# Altium PCB 3d_design_approx.PcbDoc (part 1 of 3) (continued)
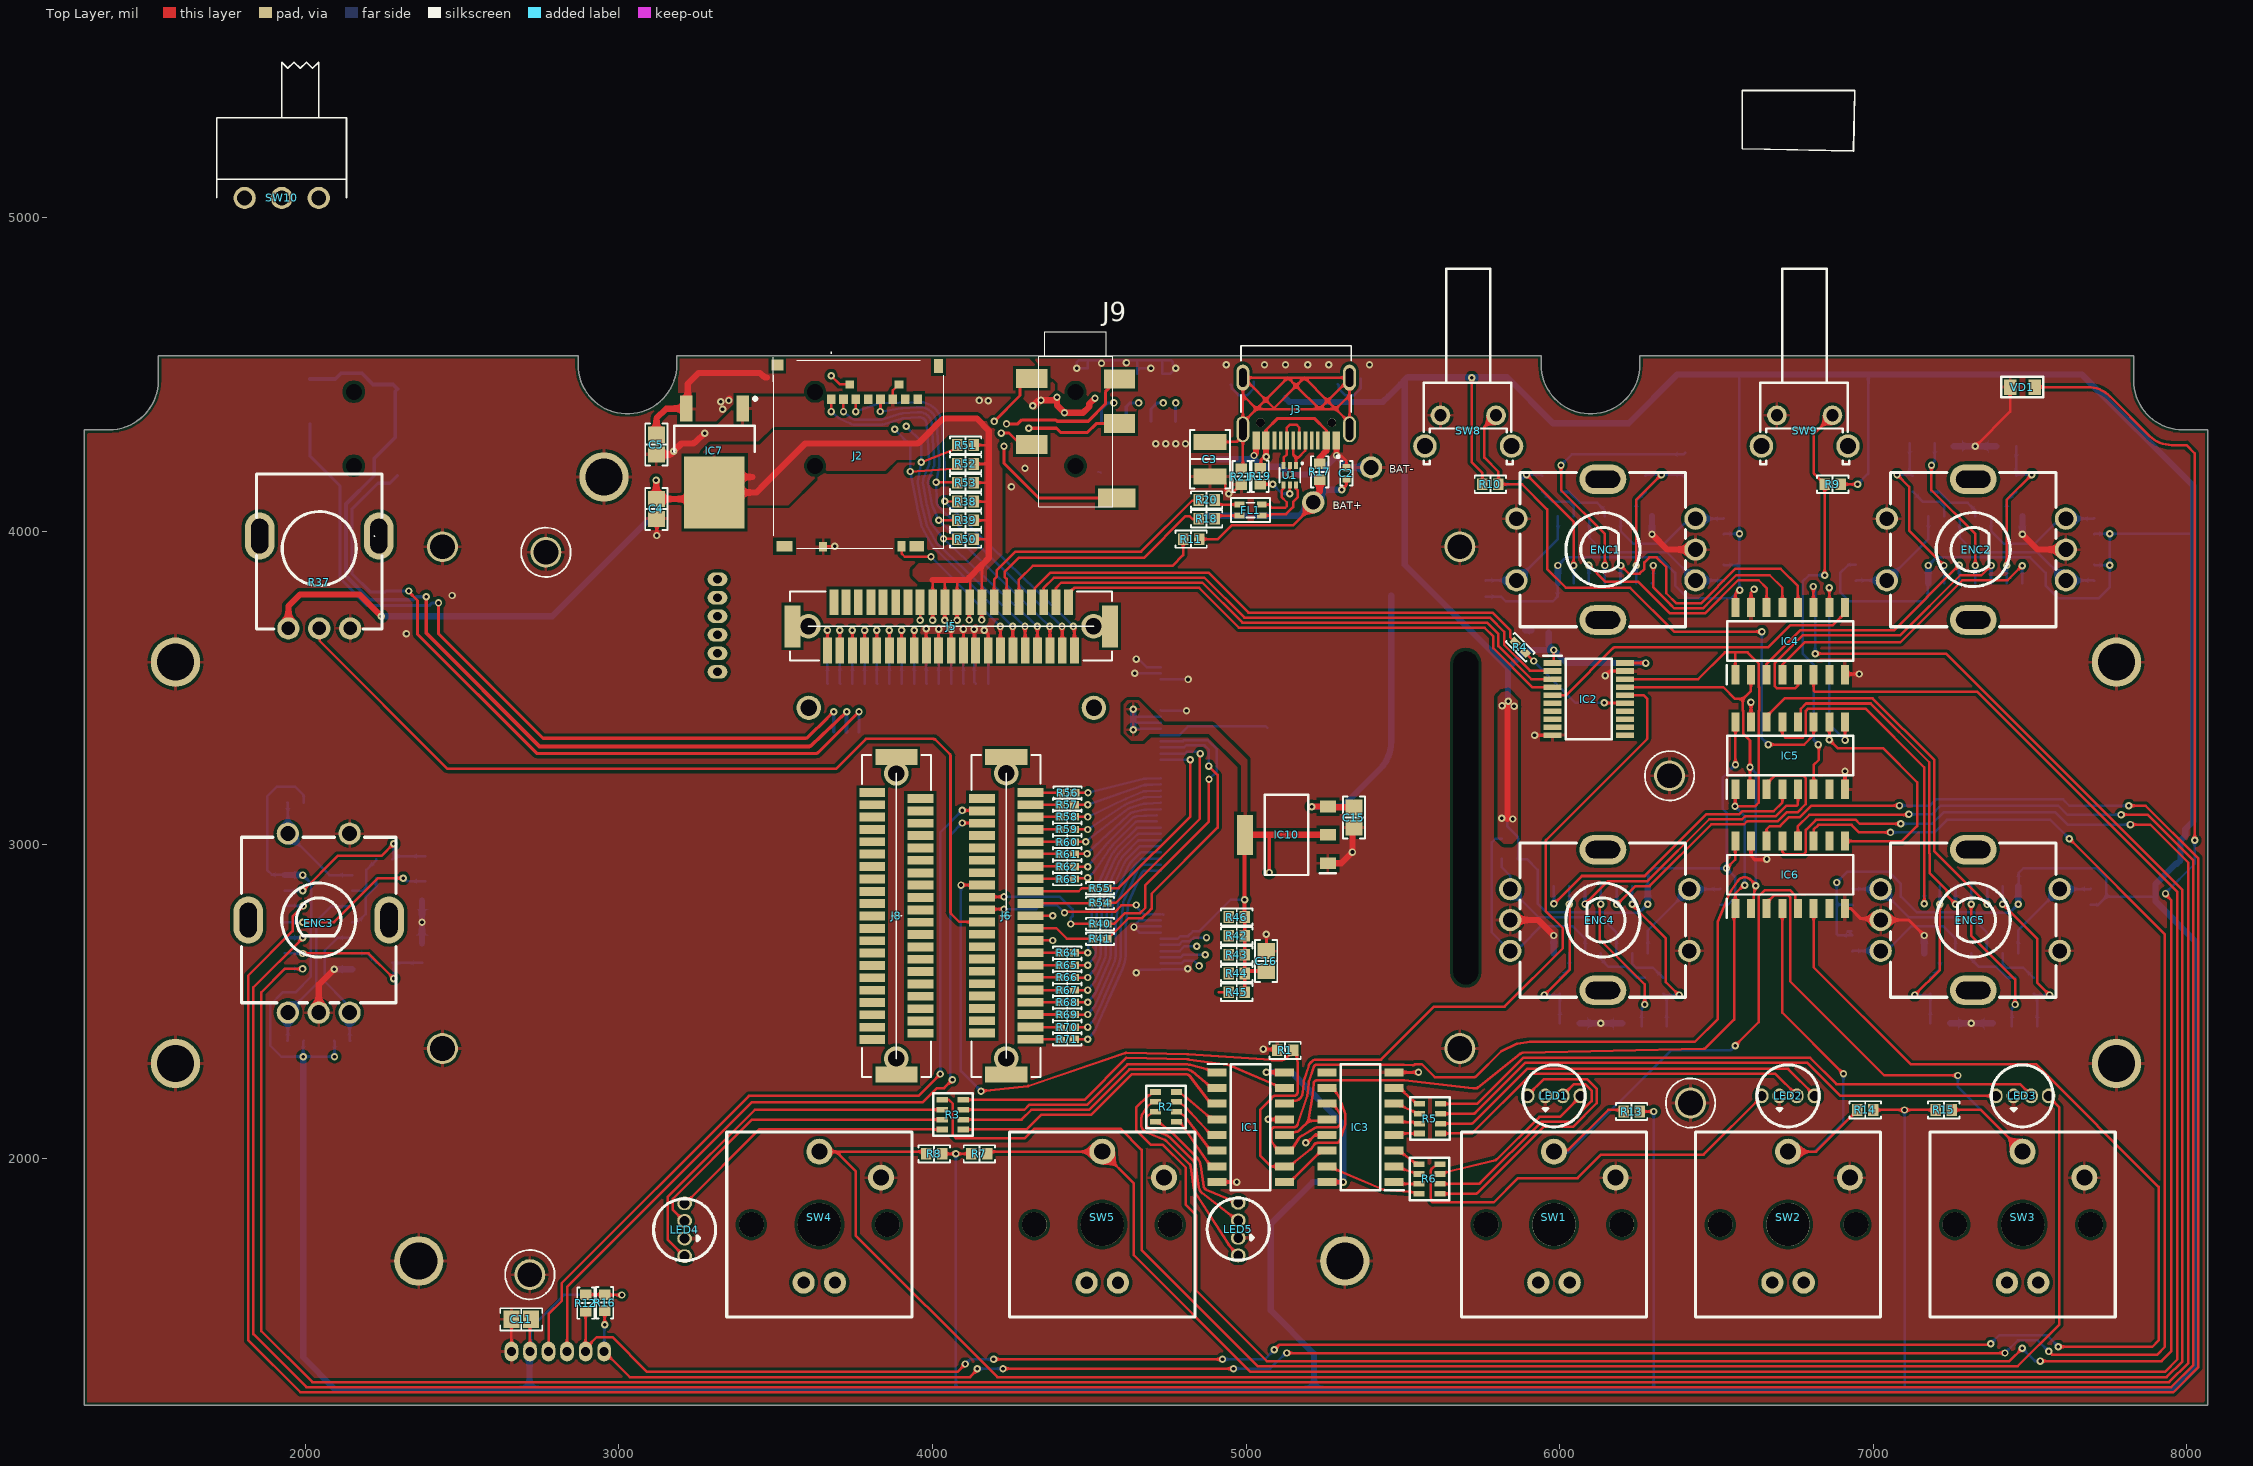
[diagram p0: Top Layer view]
## Components (designator, comment, footprint, x,y, rotation, side; value= is the part's Value field where it differs from the comment)
C1 "10 µF" "CAP 0805_2012" 5933.74,3677 r0 bottom
C2 "0.1µF" "CAP 0402_1005" 5320,4185 r270 top
C3 "10000 pF" "CAP 1210_3225 - 1MM" 4885,4230.12 r90 top
C4 "10 µF" "CAP 0805_2012" 3120,4071.5 r90 top
C5 "1 µF" "CAP 0805_2012" 3120,4276.5 r90 top
C11 "1 µF" "CAP 0805_2012" 2689.09,1487.53 r0 top
C15 "10 µF" "CAP 0805_2012" 5344.24,3087.2 r90 top
C16 "1 µF" "CAP 0805_2012" 5064.28,2629.9 r270 top
C17_IC101 "10 µF" "CAP 0805_2012" 6431.5,4250 r0 bottom (schematic designator C17)
C17_IC102 "10 µF" "CAP 0805_2012" 7227.07,4281.03 r0 bottom (schematic designator C17)
C17_IC103 "10 µF" "CAP 0805_2012" 6229.57,2421.37 r180 bottom (schematic designator C17)
C17_IC104 "10 µF" "CAP 0805_2012" 7410.67,2421.37 r180 bottom (schematic designator C17)
C17_IC105 "10 µF" "CAP 0805_2012" 2382.56,2852.45 r270 bottom (schematic designator C17)
C18_IC101 "10 µF" "CAP 0805_2012" 5775,4150 r180 bottom (schematic designator C18)
C18_IC102 "10 µF" "CAP 0805_2012" 7084.08,4281.03 r180 bottom (schematic designator C18)
C18_IC103 "10 µF" "CAP 0805_2012" 6372.56,2421.37 r0 bottom (schematic designator C18)
C18_IC104 "10 µF" "CAP 0805_2012" 7553.66,2421.37 r0 bottom (schematic designator C18)
C18_IC105 "10 µF" "CAP 0805_2012" 2382.56,2995.44 r90 bottom (schematic designator C18)
C19_IC101 "10 µF" "CAP 0805_2012" 6431.5,4170 r0 bottom (schematic designator C19)
C19_IC102 "10 µF" "CAP 0805_2012" 7424.08,4271.03 r180 bottom (schematic designator C19)
C19_IC103 "10 µF" "CAP 0805_2012" 6032.56,2431.37 r0 bottom (schematic designator C19)
C19_IC104 "10 µF" "CAP 0805_2012" 7213.66,2431.37 r0 bottom (schematic designator C19)
C19_IC105 "10 µF" "CAP 0805_2012" 2372.56,2655.44 r90 bottom (schematic designator C19)
ENC1 "Encoder_15mm" EC11_15mm 6137.77,3941.75 r90 top
ENC2 "Encoder_15mm" EC11_15mm 7318.87,3941.75 r90 top
ENC3 "Encoder_15mm" EC11_15mm 2043.28,2760.65 r0 top
ENC4 "Encoder_15mm" EC11_15mm 6137.77,2760.65 r270 top
ENC5 "Encoder_15mm" EC11_15mm 7318.87,2760.65 r270 top
FL1 "Z=90Ohm" FIL_ACM2012-361-2P-T002 5014.57,4067.72 r180 top
H1 "1.5-6A" 1.5-6A 2953.11,1385 r180 bottom
H2 "1.5-6A" 1.5-6A 3315,3551.89 r90 bottom
H3 "FFC_50_DBG" FFC_50_DBG 4816.93,3232.28 r270 bottom
IC1 "74HC595D_BJ_" SOIC127P600X175-16N 5015,2100 r0 top
IC2 "SN74HC245PWR" SOP65P640X120-20N 6093,3465 r0 top
IC3 "74HC595D_BJ_" SOIC127P600X175-16N 5365,2100 r180 top
IC4 "74HC165D_BJ_" SOIC127P600X175-16N 6735,3650 r90 top
IC5 "74HC165D_BJ_" SOIC127P600X175-16N 6735,3285 r90 top
IC6 "74HC165D_BJ_" SOIC127P600X175-16N 6735,2905 r90 top
IC7 "LD1117DT33TR" TO228P972X240-3N 3305,4220 r270 top
IC10 "ams1117-3.3v" SOT-223 5129.24,3032.2 r180 top
IC11_IC101 "74VHCT14AM" SOIC127P600X175-14N 6144.48,3941.03 r270 bottom (schematic designator IC11)
IC11_IC102 "74VHCT14AM" SOIC127P600X175-14N 7325.58,3941.03 r270 bottom (schematic designator IC11)
IC11_IC103 "74VHCT14AM" SOIC127P600X175-14N 6131.06,2761.37 r90 bottom (schematic designator IC11)
IC11_IC104 "74VHCT14AM" SOIC127P600X175-14N 7312.17,2761.37 r90 bottom (schematic designator IC11)
IC11_IC105 "74VHCT14AM" SOIC127P600X175-14N 2042.56,2753.95 r180 bottom (schematic designator IC11)
J1 "DF9-41P-1V_32_" HIROSE_DF9-41P-1V(32)#1 4454,3514 r0 bottom
J2 "SCHA4B0400" SCHA4B0400 3764.76,4468.5 r180 top
J3 "TYPE-C-31-M-12" "HRO_TYPE-C-31-M-12 - REZONIT" 5160,4490 r180 top
J4 "35RASMT2BHNTRX" PJ_327 2155,4276.78 r270 bottom
J5 "DF9-41P-1V_32_" HIROSE_DF9-41P-1V(32)#2 3665.88,3620.25 r180 top
J6 "DF9-41P-1V_32_" HIROSE_DF9-41P-1V(32)#2 4312.47,2380.37 r270 top
J7 "PJ-327F" PJ-327F 3625.98,4276.78 r270 bottom
J8 "DF9-41P-1V_32_" HIROSE_DF9-41P-1V(32)#1 3807.8,2379.86 r270 top
J9 "PJ-327F" PJ-327F 4456.69,4276.66 r270 top
J10 "0528081271" AFA11-S12GLA-00 4771.65,4354.33 r180 bottom
J11 "0528081271" AFA11-S12GLA-00 4696.85,4112.2 r180 bottom
LED1 "RGB_5mm" LED_RGB_5MM 5981.95,2200 r90 top
LED2 "RGB_5mm" LED_RGB_5MM 6728.32,2200 r90 top
LED3 "RGB_5mm" LED_RGB_5MM 7475,2200 r90 top
LED4 "RGB_5mm" LED_RGB_5MM 3209.86,1772.95 r180 top
LED5 "RGB_5mm" LED_RGB_5MM 4975,1775 r180 top
R1 "10 kOhms" "RES 0603_1608" 5124.41,2345 r180 top
R2 "YC164-JR-07100RL" "RESNET 1206-8 CONVEX" 4745,2165 r0 top
R3 "YC164-JR-07100RL" "RESNET 1206-8 CONVEX" 4065,2140 r0 top
R4 "100 Ohms" "RES 0402_1005" 5874.02,3629.92 r315 top
R5 "YC164-JR-07100RL" "RESNET 1206-8 CONVEX" 5586.54,2127.24 r180 top
R6 "YC164-JR-07100RL" "RESNET 1206-8 CONVEX" 5585,1935 r180 top
R7 "10 kOhms" "RES 0603_1608" 4150,2015 r180 top
R8 "10 kOhms" "RES 0603_1608" 4005.59,2015 r0 top
R9 "10 kOhms" "RES 0603_1608" 6870.59,4150 r0 top
R10 "10 kOhms" "RES 0603_1608" 5779.41,4150 r180 top
R11 "1 MOhms" "RES 0603_1608" 4825,3975 r0 top
R12 "10 kOhms" "RES 0603_1608" 2895,1539.41 r90 top
R13 "10 kOhms" "RES 0603_1608" 6229.41,2150 r0 top
R14 "10 kOhms" "RES 0603_1608" 6974.41,2155 r0 top
R15 "10 kOhms" "RES 0603_1608" 7225,2155 r180 top
R16 "10 kOhms" "RES 0603_1608" 2955,1540.59 r90 top
R17 "=Value" "RES 0603_1608" 5235,4189.41 r90 top
R18 "=Value" "RES 0603_1608" 4874.41,4040 r0 top
R19 "=Value" "RES 0603_1608" 5045,4175 r270 top
R20 "=Value" "RES 0603_1608" 4874.41,4100 r0 top
R21 "1 MOhms" "RES 0603_1608" 4985,4174.41 r90 top
R22 "10 kOhms" "RES 0603_1608" 6523.37,3867.73 r90 bottom
R23 "10 kOhms" "RES 0603_1608" 7703.28,3868.92 r90 bottom
R24 "10 kOhms" "RES 0603_1608" 6523.37,4016.54 r270 bottom
R25 "10 kOhms" "RES 0603_1608" 7702.52,4014.59 r270 bottom
R26 "10 kOhms" "RES 0603_1608" 5764.57,3817.74 r270 bottom
R27 "10 kOhms" "RES 0603_1608" 6945.08,3868.33 r90 bottom
R28 "10 kOhms" "RES 0603_1608" 1969.25,2375.05 r0 bottom
R29 "10 kOhms" "RES 0603_1608" 5840.55,2956.69 r0 bottom
R30 "10 kOhms" "RES 0603_1608" 6933.27,2834.68 r270 bottom
R31 "10 kOhms" "RES 0603_1608" 2118.07,2375.05 r180 bottom
R32 "10 kOhms" "RES 0603_1608" 5840.55,3019.68 r0 bottom
R33 "10 kOhms" "RES 0603_1608" 6933.27,2685.86 r90 bottom
R34 "10 kOhms" "RES 0603_1608" 1969.25,3135.05 r0 bottom
R35 "10 kOhms" "RES 0603_1608" 6512.17,2834.68 r270 bottom
R36 "10 kOhms" "RES 0603_1608" 7692.07,2833.48 r270 bottom
R37 "100k" POT 2045,3915 r0 top
R38 "10 kOhms" "RES 0603_1608" 4105.59,4095 r0 top
R39 "10 kOhms" "RES 0603_1608" 4105.59,4035 r0 top
R40 "22 Ohms" "RES 0402_1005" 4534.45,2748.03 r180 top
R41 "22 Ohms" "RES 0402_1005" 4534.45,2700.79 r180 top
R42 "10 Ohms" "RES 0603_1608" 4970.47,2710.16 r0 top
R43 "10 Ohms" "RES 0603_1608" 4970.47,2650.16 r0 top
R44 "10 Ohms" "RES 0603_1608" 4970.47,2590.16 r0 top
R45 "10 Ohms" "RES 0603_1608" 4970.47,2530.16 r0 top
R46 "10 kOhms" "RES 0603_1608" 4970.47,2770.16 r0 top
R47_IC101 "10 kOhms" "RES 0603_1608" 6004.48,4151.03 r90 bottom (schematic designator R47)
R47_IC102 "10 kOhms" "RES 0603_1608" 7185.58,4151.03 r90 bottom (schematic designator R47)
R47_IC103 "10 kOhms" "RES 0603_1608" 6271.06,2551.37 r270 bottom (schematic designator R47)
R47_IC104 "10 kOhms" "RES 0603_1608" 7452.17,2551.37 r270 bottom (schematic designator R47)
R47_IC105 "10 kOhms" "RES 0603_1608" 2252.56,2893.95 r0 bottom (schematic designator R47)
R48_IC101 "10 kOhms" "RES 0603_1608" 5944.48,4151.03 r90 bottom (schematic designator R48)
R48_IC102 "10 kOhms" "RES 0603_1608" 7125.58,4151.03 r90 bottom (schematic designator R48)
R48_IC103 "10 kOhms" "RES 0603_1608" 6331.06,2551.37 r270 bottom (schematic designator R48)
R48_IC104 "10 kOhms" "RES 0603_1608" 7512.17,2551.37 r270 bottom (schematic designator R48)
R48_IC105 "10 kOhms" "RES 0603_1608" 2252.56,2953.95 r0 bottom (schematic designator R48)
R49_IC101 "10 kOhms" "RES 0603_1608" 6272.51,4151.03 r90 bottom (schematic designator R49)
R49_IC102 "10 kOhms" "RES 0603_1608" 7453.61,4151.03 r90 bottom (schematic designator R49)
R49_IC103 "10 kOhms" "RES 0603_1608" 6003.03,2551.37 r270 bottom (schematic designator R49)
R49_IC104 "10 kOhms" "RES 0603_1608" 7184.13,2551.37 r270 bottom (schematic designator R49)
R49_IC105 "10 kOhms" "RES 0603_1608" 2252.56,2625.91 r0 bottom (schematic designator R49)
R50 "10 kOhms" "RES 0603_1608" 4105.59,3975 r0 top
R51 "10 kOhms" "RES 0603_1608" 4105.59,4275 r0 top
R52 "10 kOhms" "RES 0603_1608" 4105.59,4215 r0 top
R53 "10 kOhms" "RES 0603_1608" 4105.59,4155 r0 top
R54 "22 Ohms" "RES 0402_1005" 4534.45,2814.96 r180 top
R55 "22 Ohms" "RES 0402_1005" 4534.45,2862.2 r180 top
R56 "22 Ohms" "RES 0402_1005" 4431.01,3166.36 r180 top
R57 "22 Ohms" "RES 0402_1005" 4430.01,3128.37 r180 top
R58 "22 Ohms" "RES 0402_1005" 4430.01,3089.37 r180 top
R59 "22 Ohms" "RES 0402_1005" 4430.01,3049.37 r180 top
R60 "22 Ohms" "RES 0402_1005" 4430.01,3009.37 r180 top
R61 "22 Ohms" "RES 0402_1005" 4430.01,2970.37 r180 top
R62 "22 Ohms" "RES 0402_1005" 4430.01,2930.37 r180 top
R63 "22 Ohms" "RES 0402_1005" 4430.01,2891.37 r180 top
R64 "22 Ohms" "RES 0402_1005" 4430.01,2656.37 r180 top
R65 "22 Ohms" "RES 0402_1005" 4430.01,2616.37 r180 top
R66 "22 Ohms" "RES 0402_1005" 4430.01,2577.37 r180 top
R67 "22 Ohms" "RES 0402_1005" 4430.01,2537.37 r180 top
R68 "22 Ohms" "RES 0402_1005" 4430.01,2498.37 r180 top
R69 "22 Ohms" "RES 0402_1005" 4430.01,2459.37 r180 top
R70 "22 Ohms" "RES 0402_1005" 4430.01,2419.37 r180 top
R71 "22 Ohms" "RES 0402_1005" 4430.01,2380.37 r180 top
SW1 "Kailh" Kailh_Low 5981.95,1789.6 r0 top
SW2 "Kailh" Kailh_Low 6728.32,1789.6 r0 top
SW3 "Kailh" Kailh_Low 7476.35,1789.6 r0 top
SW4 "Kailh" Kailh_Low 3639.43,1789.6 r0 top
SW5 "Kailh" Kailh_Low 4541.65,1789.58 r0 top
SW8 "2-1825027-0" "TE 2-1825027-0" 5708.58,4524.75 r0 top
SW9 "2-1825027-0" "TE 2-1825027-0" 6781.42,4524.75 r0 top
SW10 "Reset destination select" SLIDE_SW_BIG 1925.2,5062.99 r0 top
U1 "" SOT-666 5139.69,4179.09 r270 top
VD1 "LED, Green, *, *, *, -55...+150°C" "LED: 0805R" 7475.63,4460 r180 top

## Footprints (in the part's own frame and the unit in brackets; to place one, negate y for a bottom-side part, rotate by r counter-clockwise, add the part's x,y. Pads: shape width x height; smd on the part's side, far side on the other; paste and mask are expansions set on the pad)
1.5-6A [mm] "Pin Header p=1.5mm, 6 pins"
  oval 1.1x1.6 hole 0.7: 1(0,0) 2(1.5,0) 3(3,0) 4(4.5,0) 5(6,0) 6(7.5,0)
  silkscreen extent -1.52,-2.2 9,1.4, body extent -1.4,-2.1 8.9,1.3, height 6
AFA11-S12GLA-00 [mm]
  rect 0.6x1.75 smd paste+0 mask+0.05: 1(0,0) 2(1,3.75) 3(2,0) 4(3,3.75) 5(4,0) 6(5,3.75) 7(6,0) 8(7,3.75) 9(8,0) 10(9,3.75) 11(10,0) 12(11,3.75)
  rect 2x1.6 smd paste+0 mask+0.05: 13(13.4,1.875) 14(-2.4,1.875)
  silkscreen extent -4.04,-0.66 15.04,3.13, body extent -3.69,-0.35 14.71,4.16, height 5.35
"CAP 0402_1005" [mm] "Chip Capacitor, 2-Leads, Body 1.02x0.51mm, IPC Medium Density"
  rect 0.6x0.64 smd: 1(-0.44,0) 2(0.44,0)
  silkscreen extent -1,-0.5 1,0.5, body extent -0.5,-0.26 0.5,0.26, height 0.52
"CAP 0805_2012" [mm] "Chip Capacitor, 2-Leads, Body 2.00x1.20mm, IPC Medium Density"
  rect 1.3x1.4 smd: 1(-0.8,0) 2(0.8,0)
  silkscreen extent -1.7,-0.9 1.7,0.9, body extent -1,-0.64 1,0.64, height 1.26
"CAP 1210_3225 - 1MM" [mm] "Chip Capacitor, 2-Leads, Body 3.20x2.50mm, IPC Medium Density"
  rect 1.3x2.7 smd: 1(-1.4,0) 2(1.4,0)
  silkscreen extent -2.38,-1.63 2.37,1.63, body extent -1.6,-1.25 1.6,1.25, height 1
EC11_15mm [mm]
  round 1.8 hole 1.2: 1(-2.5,7) 2(2.5,7) A(-2.5,-7.5) B(2.5,-7.5) C(0,-7.5)
  oval 2.4x3.8 hole 1.4 slot 2.8 at 90 deg: MT1(-5.7,0) MT2(5.7,0)
  silkscreen extent -6.25,-6.7 6.25,6.7, body extent -6,-7.67 6,7.25, height 21.9
FFC_50_DBG [mm]
  rect 0.3x2.6 smd paste+0 mask+0.102: 1(-8.5,2.25) 2(-8,2.25) 3(-7.5,2.25) 4(-7,2.25) 5(-6.5,2.25) 6(-6,2.25) 7(-5.5,2.25) 8(-5,2.25) 9(-4.5,2.25) 10(-4,2.25) 11(-3.5,2.25) 12(-3,2.25) 13(-2.5,2.25) 14(-2,2.25) 15(-1.5,2.25) 16(-1,2.25) 17(-0.5,2.25) 18(0,2.25) 19(0.5,2.25) 20(1,2.25) 21(1.5,2.25) 22(2,2.25) 23(2.5,2.25) 24(3,2.25) 25(3.5,2.25) 26(4,2.25) 27(4.5,2.25) 28(5,2.25) 29(5.5,2.25) 30(6,2.25) 31(6.5,2.25) 32(7,2.25) 33(7.5,2.25) 34(8,2.25) 35(8.5,2.25) 36(9,2.25) 37(9.5,2.25) 38(10,2.25) 39(10.5,2.25) 40(11,2.25) 41(11.5,2.25) 42(12,2.25) 43(12.5,2.25) 44(13,2.25) 45(13.5,2.25) 46(14,2.25) 47(14.5,2.25) 48(15,2.25) 49(15.5,2.25) 50(16,2.25)
  rect 2.65x3.5 smd: MP1(-10.312,0.356) MP1(17.812,0.356)
  silkscreen extent -11.5,-2.29 17.35,4.01, body extent -11.49,-2.32 19.01,3.32, height 2.06
FIL_ACM2012-361-2P-T002 [mm]
  rect 0.8x0.5 smd: 1(-0.9,0.45) 2(-0.9,-0.45) 3(0.9,-0.45) 4(0.9,0.45)
  silkscreen extent -1.58,-0.98 1.58,0.98, body extent -1,-0.6 1,0.6, height 1.3
HIROSE_DF9-41P-1V(32)#1 [mil]
  rect 28x82 smd: 1(0,0) 2(-20,154) 3(-39,0) 4(-59,154) 5(-79,0) 6(-98,154) 7(-118,0) 8(-138,154) 9(-157,0) 10(-177,154) 11(-197,0) 12(-217,154) 13(-236,0) 14(-256,154) 15(-276,0) 16(-295,154) 17(-315,0) 18(-335,154) 19(-354,0) 20(-374,154) 21(-394,0) 22(-413,154) 23(-433,0) 24(-453,154) 25(-472,0) 26(-492,154) 27(-512,0) 28(-531,154) 29(-551,0) 30(-571,154) 31(-591,0) 32(-610,154) 33(-630,0) 34(-650,154) 35(-669,0) 36(-689,154) 37(-709,0) 38(-728,154) 39(-748,0) 40(-768,154) 41(-787,0)
  round 78 hole 52: 42(-848,77) 43(61,77)
  rect 51x134 smd: 44(-900,77) 45(112,77)
  silkscreen extent -907,-32 120,188, body extent -921,-2 134,156, height 134
HIROSE_DF9-41P-1V(32)#2 [mil]
  rect 28x82 smd: 1(0,0) 2(-20,-154) 3(-39,0) 4(-59,-154) 5(-79,0) 6(-98,-154) 7(-118,0) 8(-138,-154) 9(-157,0) 10(-177,-154) 11(-197,0) 12(-217,-154) 13(-236,0) 14(-256,-154) 15(-276,0) 16(-295,-154) 17(-315,0) 18(-335,-154) 19(-354,0) 20(-374,-154) 21(-394,0) 22(-413,-154) 23(-433,0) 24(-453,-154) 25(-472,0) 26(-492,-154) 27(-512,0) 28(-531,-154) 29(-551,0) 30(-571,-154) 31(-591,0) 32(-610,-154) 33(-630,0) 34(-650,-154) 35(-669,0) 36(-689,-154) 37(-709,0) 38(-728,-154) 39(-748,0) 40(-768,-154) 41(-787,0)
  round 78 hole 52: 42(-848,-77) 43(61,-77)
  rect 51x134 smd: 44(-900,-77) 45(112,-77)
  silkscreen extent -907,-188 120,32, body extent -921,-156 134,2, height 134
"HRO_TYPE-C-31-M-12 - REZONIT" [mm]
  rect 0.6x1.45 smd: A1B12(-3.25,5.095) A4B9(-2.45,5.095) B1A12(3.25,5.095) B4A9(2.45,5.095)
  rect 0.3x1.45 smd mask+0.102: A5(-1.25,5.095) A6(-0.25,5.095) A7(0.25,5.095) A8(1.25,5.095) B5(1.75,5.095) B6(0.75,5.095) B7(-0.75,5.095) B8(-1.75,5.095)
  oval 1.05x2.1 hole 0.6 slot 1.75 at 90 deg: S1(-4.32,4.18) S2(4.32,4.18)
  oval 1.05x2.1 hole 0.6 slot 1.5 at 90 deg: S3(-4.32,0) S4(4.32,0)
  round 0.7 hole 0.7 unplated: ""(-2.89,3.65) ""(2.89,3.65)
  silkscreen extent -4.47,-2.6 4.47,6.5, body extent -4.47,-2.6 4.47,5.31, height 3.31
Kailh_Low [mm]
  round 2.1 hole 1.3: 1(0,5.9) 2(5,3.8)
  round 1.8 hole 1: 3(-1.27,-4.699) 4(1.27,-4.699)
  round 2 hole 2 unplated: ""(-5.5,0) ""(5.5,0)
  round 3.5 hole 3.5 unplated: ""(0,0)
  silkscreen extent -7.5,-7.5 7.5,7.5, body extent -7.5,-7.5 7.5,7.5, height 8
"LED: 0805R" [mm]
  rect 1x1.25 smd: 1(-1,0) 2(1,0)
  silkscreen extent -1.7,-0.82 1.7,0.82, body extent -1.05,-0.67 1.05,0.68, height 0.9
LED_RGB_5MM [mm]
  oval 1.2x1.1 hole 0.8: 1(-0.003,-2.135) 2(-0.003,-0.712) 3(-0.003,0.71) 4(-0.003,2.132)
  silkscreen extent -2.51,-2.51 2.51,2.51
PJ-327F [mil]
  rect 60x100 smd mask+3: 2(0,-140) 3(-211,-140) 4(-208.66,139.76) 5(-66.93,139.76)
  rect 60x120 smd mask+3: 6(170,131.34)
  round 0 hole 51 unplated mask+3: 257(-168.22,0) 258(68,0)
  silkscreen extent -360,-118 199,118, body extent -364,-186 187,188, height 201
PJ_327 [mil]
  rect 60x100 smd mask+3: 2(98.43,-139.76) 3(-177.17,-139.76) 4(-208.66,139.76) 5(-66.93,139.76)
  rect 60x120 smd mask+3: 6(170,131.34)
  round 0 hole 51 unplated mask+3: 257(-168.22,0) 258(68,0)
  silkscreen extent -360,-118 199,118, body extent -364,-186 187,188, height 201
POT [mm]
  round 1.8 hole 1.1: 1(-2.5,-5.704) 2(0,-5.704) 3(2.5,-5.704)
  oval 2.4x3.8 hole 1.4 slot 2.8 at 90 deg: MT1(-4.826,1.778) MT1(4.826,1.778)
  silkscreen extent -5.08,-5.76 5.08,6.81, body extent -5.64,-5.73 5.64,6.92, height 21.1
"RES 0402_1005" [mm] "Chip Resistor, 2-Leads, Body 1.0x0.5mm, IPC Medium Density"
  rect 0.75x0.6 smd: 1(-0.575,0) 2(0.575,0)
  silkscreen extent -1.14,-0.51 1.14,0.51, body extent -0.5,-0.25 0.5,0.25, height 0.35
"RES 0603_1608" [mm] "Chip Resistor, 2-Leads, Body 1.60x0.80mm, IPC Medium Density"
  rect 0.85x0.95 smd: 1(-0.65,0) 2(0.65,0)
  silkscreen extent -1.27,-0.7 1.27,0.7, body extent -0.8,-0.4 0.8,0.4, height 0.45
"RESNET 1206-8 CONVEX" [mm] "4 resistor 3.20x1.60mm, 0.7mm high"
  rect 0.9x0.45 smd: 1(-0.85,1.2) 2(-0.85,0.4) 3(-0.85,-0.4) 4(-0.85,-1.2) 5(0.85,-1.2) 6(0.85,-0.4) 7(0.85,0.4) 8(0.85,1.2)
  silkscreen extent -1.6,-1.73 1.6,1.73, body extent -0.84,-1.62 0.84,1.63, height 0.71
SCHA4B0400 [mm]
  rect 0.7x0.75 smd: 1(2.225,1.2) 2(1.225,1.2) 3(0.225,1.2) 4(-0.775,1.2) 5(-1.775,1.2) 6(-2.775,1.2) 7(-3.775,1.2) 8(-4.775,1.2)
  rect 0.7x0.65 smd: 9(-3.275,0) 10(0.725,0)
  rect 0.65x0.85 smd: 11(-3.475,13.1)
  rect 0.65x0.75 smd: 12(2.875,13.15)
  rect 1.3x0.85 smd: MP1(6.013,13.1)
  rect 0.95x0.9 smd: MP2(6.575,-1.575)
  rect 0.745x1.15 smd: MP3(-6.46,-1.5)
  rect 1.2x0.85 smd: MP4(-4.713,13.1)
  silkscreen extent -6.91,-2.62 6.91,13.28, body extent -6.91,-2 6.96,13.46, height 1.39
SLIDE_SW_BIG [mm] "My slide switch from chip dip"
  round 1.8 hole 1.2: 1(-3,0) 2(0,0) 3(3,0)
  silkscreen extent -5.25,0 5.25,11
SOIC127P600X175-14N [mm]
  rect 1.55x0.65 smd: 1(-2.725,3.81) 2(-2.725,2.54) 3(-2.725,1.27) 4(-2.725,0) 5(-2.725,-1.27) 6(-2.725,-2.54) 7(-2.725,-3.81) 8(2.725,-3.81) 9(2.725,-2.54) 10(2.725,-1.27) 11(2.725,0) 12(2.725,1.27) 13(2.725,2.54) 14(2.725,3.81)
  silkscreen extent -3.5,-4.33 1.6,4.48, body extent -3,-4.33 3,4.33, height 1.75
SOIC127P600X175-16N [mm]
  rect 1.55x0.65 smd: 1(-2.725,4.445) 2(-2.725,3.175) 3(-2.725,1.905) 4(-2.725,0.635) 5(-2.725,-0.635) 6(-2.725,-1.905) 7(-2.725,-3.175) 8(-2.725,-4.445) 9(2.725,-4.445) 10(2.725,-3.175) 11(2.725,-1.905) 12(2.725,-0.635) 13(2.725,0.635) 14(2.725,1.905) 15(2.725,3.175) 16(2.725,4.445)
  silkscreen extent -3.5,-5.1 1.6,5.12, body extent -3,-5.1 3,5.1, height 1.75
SOP65P640X120-20N [mm]
  rect 1.475x0.45 smd mask+0.102: 1(-2.938,2.925) 2(-2.938,2.275) 3(-2.938,1.625) 4(-2.938,0.975) 5(-2.938,0.325) 6(-2.938,-0.325) 7(-2.938,-0.975) 8(-2.938,-1.625) 9(-2.938,-2.275) 10(-2.938,-2.925) 11(2.938,-2.925) 12(2.938,-2.275) 13(2.938,-1.625) 14(2.938,-0.975) 15(2.938,-0.325) 16(2.938,0.325) 17(2.938,0.975) 18(2.938,1.625) 19(2.938,2.275) 20(2.938,2.925)
  silkscreen extent -3.67,-3.25 1.85,3.5, body extent -3.2,-3.25 3.2,3.25, height 1.13
SOT-223 [mm]
  rect 1.3x0.95 smd: 1(-3.35,2.29) 2(-3.35,0) 3(-3.35,-2.29)
  rect 1.3x3.25 smd: 4(3.35,0)
  silkscreen extent -4,-3.25 1.75,3.25, body extent -3.5,-3.25 3.5,3.25, height 1.8
SOT-666 [mm]
  rect 0.56x0.32 smd mask+0.025: 1(-0.785,0.5) 2(-0.785,0) 3(-0.785,-0.5) 4(0.785,-0.5) 5(0.785,0) 6(0.785,0.5)
  silkscreen extent -1,-0.85 0.6,1.05, body extent -0.6,-0.8 0.6,0.8, height 0.6
"TE 2-1825027-0" [mm] "actile Switches, Round Actuator Style, Operating Function NO,Right Angle, Body 15.53x7.11mm, Pitch 2.25mm"
  round 1.59 hole 0.99: 1(2.25,-3.931) 2(-2.25,-3.931)
  round 1.9 hole 1.3: S(-3.505,-6.421) S(3.505,-6.421)
  silkscreen extent -3.6,-7.9 3.6,7.93, body extent -4.2,-7.93 4.2,7.93, height 7.01
TO228P972X240-3N [mm]
  rect 2.1x1 smd: 1(-4.35,2.28) 3(-4.35,-2.28)
  rect 5.85x4.9 smd: 4(2.45,0)
  silkscreen extent -5.27,-3.25 -0.85,3.43, body extent -4.97,-3.3 4.56,3.3, height 2.3

## Part data
C1 C4 C15 C17_IC101 C17_IC102 C17_IC103 C17_IC104 C17_IC105 C18_IC101 C18_IC102 C18_IC103 C18_IC104 C18_IC105 C19_IC101 C19_IC102 C19_IC103 C19_IC104 C19_IC105: library part C0805C106K8PAC7800, "CAP CER 10UF 10V X5R 0805", Device Package="0805 (2012 Metric)", Manufacturer=KEMET, Operating Temperature="-55°C ~ 85°C", Supplier Part Number 1=399-C0805C106K8PAC7800CT-ND, Temperature Coefficient=X5R, Tolerance=±10%, Voltage - Rated=10V, Applications="Bypass, Decoupling", Capacitance="10 µF", ComponentLink1Description=Datasheet, ComponentLink1URL=https://connect.kemet.com:7667/gateway/IntelliData-ComponentDocumentation/1.0/download/datasheet/C0805C106K8PACTU, ComponentLink2Description="DigiKey Link", ComponentLink2URL=https://www.digikey.com/en/products/detail/kemet/C0805C106K8PAC7800/1090830, LastUpdated="9/14/2022 7:51:56 AM", Lifecycle Status=Active, Minimum Order=1, Mounting Type="Surface Mount, MLCC", Package / Case="0805 (2012 Metric)", Packaging=TapeAndReel, Part Number=C0805C106K8PAC7800, Part Status=Active, PartId=44790, Price=0.02, Series="SMD Comm X5R", Size / Dimension="0.079\" L x 0.049\" W (2.00mm x 1.25mm)", Supplier 1=DigiKey, Thickness (Max)="0.055\" (1.40mm)"
C2: library part C0402C104K4RACAUTO, "CAP CER 0.1UF 16V X7R 0402", Device Package="0402 (1005 Metric)", Manufacturer=KEMET, Operating Temperature="-55°C ~ 125°C", Ratings=AEC-Q200, Supplier Part Number 1=399-6828-1-ND, Temperature Coefficient=X7R, Tolerance=±10%, Voltage - Rated=16V, Applications="Automotive, Bypass, Decoupling", Capacitance=0.1µF, ComponentLink1Description=Datasheet, ComponentLink1URL=https://api.kemet.com/component-edge/download/specsheet/C0402C104K4RACAUTO.pdf, ComponentLink2Description="DigiKey Link", ComponentLink2URL=http://digikey.com/product-detail/en/kemet/C0402C104K4RACAUTO/399-6828-1-ND/3314343, LastUpdated="9/2/2020 1:02:21 AM", Lifecycle Status=Active, Minimum Order=1, Mounting Type="Surface Mount, MLCC", Package / Case="0402 (1005 Metric)", Packaging=TapeAndReel, Part Number=C0402C104K4RACAUTO, Part Status=Active, PartId=3024, Price=0.01, Series="SMD Auto X7R", Size / Dimension="0.039\" L x 0.020\" W (1.00mm x 0.50mm)", Supplier 1=DigiKey, Thickness (Max)="0.022\" (0.55mm)"
C3: library part C1210C103KDRAC7800, "CAP CER 10000PF 1KV X7R 1210", Device Package="1210 (3225 Metric)", Manufacturer=KEMET, Operating Temperature="-55°C ~ 125°C", Supplier Part Number 1=399-C1210C103KDRAC7800CT-ND, Temperature Coefficient=X7R, Tolerance=±10%, Voltage - Rated="1000V (1kV)", Applications="General Purpose", Capacitance="10000 pF", ComponentLink1Description=Datasheet, ComponentLink1URL=https://api.kemet.com/component-edge/download/datasheet/C1210C103KDRACTU.pdf, ComponentLink2Description="DigiKey Link", ComponentLink2URL=https://www.digikey.com/en/products/detail/kemet/C1210C103KDRAC7800/2216434, Features="Low ESL, High Voltage", LastUpdated="9/16/2023 7:34:43 PM", Lifecycle Status=Active, Minimum Order=1, Mounting Type="Surface Mount, MLCC", Package / Case="1210 (3225 Metric)", Packaging=TapeAndReel, Part Number=C1210C103KDRAC7800, Part Status=Active, PartId=29443, Price=0.09, Series="SMD Comm X7R HV", Size / Dimension="0.126\" L x 0.098\" W (3.20mm x 2.50mm)", Supplier 1=DigiKey, Thickness (Max)="0.061\" (1.55mm)"
C5 C11 C16: library part C0805C105K4RAC7800, "CAP CER 1UF 16V X7R 0805", Device Package="0805 (2012 Metric)", Manufacturer=KEMET, Operating Temperature="-55°C ~ 125°C", Supplier Part Number 1=399-C0805C105K4RAC7800CT-ND, Temperature Coefficient=X7R, Tolerance=±10%, Voltage - Rated=16V, Applications="Bypass, Decoupling", Capacitance="1 µF", ComponentLink1Description=Datasheet, ComponentLink1URL=https://api.kemet.com/component-edge/download/datasheet/C0805C105K4RACTU.pdf, ComponentLink2Description="DigiKey Link", ComponentLink2URL=https://www.digikey.com/en/products/detail/kemet/C0805C105K4RAC7800/416047, LastUpdated="9/19/2022 1:03:30 PM", Lifecycle Status=Active, Minimum Order=1, Mounting Type="Surface Mount, MLCC", Package / Case="0805 (2012 Metric)", Packaging=TapeAndReel, Part Number=C0805C105K4RAC7800, Part Status=Active, PartId=32075, Price=0.01, Series="SMD Comm X7R", Size / Dimension="0.079\" L x 0.049\" W (2.00mm x 1.25mm)", Supplier 1=DigiKey, Thickness (Max)="0.039\" (1.00mm)"
FL1: library part ACM2012-361-2P-T002, "ACM Series 0805 360 Ohm 220mA 500 mOhm DCR 50 V SMT Common Mode Filter", Package=None, Availability=Good, MF=TDK, MP=ACM2012-361-2P-T002, Price="0.24 USD"
H1 H2: "Pin Header p=1.5mm, 6 pins"
IC1 IC3: "Integrated Circuit", Arrow Part Number=74HC595D(BJ), Manufacturer_Name=Toshiba, Mouser Part Number=757-74HC595DBJ, Arrow Price/Stock=https://www.arrow.com/en/products/74hc595d-bj/toshiba?region=nac, Datasheet Link=https://componentsearchengine.com/Datasheets/1/74HC595D(BJ).pdf, Height=1.75mm, Manufacturer_Part_Number=74HC595D(BJ), Mouser Price/Stock=https://www.mouser.co.uk/ProductDetail/Toshiba/74HC595DBJ?qs=T%2FywbITssnTkqd02WdSNRg%3D%3D
IC2: "Integrated Circuit", Manufacturer_Name="Texas Instruments", Mouser Part Number=595-SN74HC245PWR, Arrow Part Number=SN74HC245PWR, Arrow Price/Stock=https://www.arrow.com/en/products/sn74hc245pwr/texas-instruments?region=nac, Datasheet Link=http://www.ti.com/lit/gpn/sn74hc245, Height=1.2mm, Manufacturer_Part_Number=SN74HC245PWR, Mouser Price/Stock=https://www.mouser.co.uk/ProductDetail/Texas-Instruments/SN74HC245PWR?qs=JS6RUWRH9DXHcWNikQOotA%3D%3D
IC4 IC5 IC6: "Integrated Circuit", Arrow Part Number=74HC165D(BJ), Manufacturer_Name=Toshiba, Mouser Part Number=757-74HC165DBJ, Arrow Price/Stock=https://www.arrow.com/en/products/74hc165d-bj/toshiba?region=nac, Datasheet Link=https://www.arrow.com/en/products/74hc165d-bj/toshiba?region=nac, Height=1.75mm, Manufacturer_Part_Number=74HC165D(BJ), Mouser Price/Stock=https://www.mouser.co.uk/ProductDetail/Toshiba/74HC165DBJ?qs=lQAVKuKFhkJom8fGze1o7Q%3D%3D
IC7: "Integrated Circuit", Manufacturer_Name=STMicroelectronics, Mouser Part Number=511-LD1117DT33-TR, Arrow Part Number=LD1117DT33TR, Arrow Price/Stock=https://www.arrow.com/en/products/ld1117dt33tr/stmicroelectronics?region=nac, Datasheet Link=http://www.st.com/web/en/resource/technical/document/datasheet/CD00000544.pdf, Height=2.4mm, Manufacturer_Part_Number=LD1117DT33TR, Mouser Price/Stock=https://www.mouser.co.uk/ProductDetail/STMicroelectronics/LD1117DT33TR?qs=4JhUBQGAOSd4P5jVYGxp2g%3D%3D
IC10: "Integrated Circuit", Manufacturer_Name="Advanced Monolithic Systems", Supplier Part Number 1=C6186, Datasheet Link=http://www.advanced-monolithic.com/pdf/ds1117.pdf, Height=1.8mm, Manufacturer_Part_Number=ams1117-3.3v, Supplier 1=LCSC
IC11_IC101 IC11_IC102 IC11_IC103 IC11_IC104 IC11_IC105: "Integrated Circuit", Manufacturer_Name=onsemi, Mouser Part Number=512-74VHCT14AM, Arrow Part Number=74VHCT14AM, Arrow Price/Stock=https://www.arrow.com/en/products/74vhct14am/on-semiconductor, Datasheet Link=https://docs.rs-online.com/5e2e/0900766b812cf5b5.pdf, Height=1.75mm, Manufacturer_Part_Number=74VHCT14AM, Mouser Price/Stock=https://www.mouser.com/Search/Refine.aspx?Keyword=512-74VHCT14AM
J1 J5 J6 J8: "Connector", Arrow Part Number=DF9-41P-1V(32), Manufacturer_Name=Hirose, Mouser Part Number=798-DF9-41P-1V32, Arrow Price/Stock=https://www.arrow.com/en/products/df9-41p-1v-32/hirose-electric, Datasheet Link=http://componentsearchengine.com/Datasheets/1/DF9-41P-1V(32).pdf, Manufacturer_Part_Number=DF9-41P-1V(32), Mouser Price/Stock=https://www.mouser.co.uk/ProductDetail/Hirose-Connector/DF9-41P-1V32?qs=zOgoZG1CgI%252BzVCgniEkwOw%3D%3D
J2: "SD card Connector", Manufacturer_Name="ALPS Electric", Mouser Part Number=688-SCHA4B0400, Datasheet Link=https://br.mouser.com/datasheet/2/15/SCHA-1155938.pdf, Height=1.29mm, Manufacturer_Part_Number=SCHA4B0400, Mouser Price/Stock=https://www.mouser.com/Search/Refine.aspx?Keyword=688-SCHA4B0400
J3: "USB Connectors 24 Receptacle 1 8.94*7.3mm RoHS", Package=None, Availability=Unavailable, MF="{'manufacturer': u'HRO Electronics Co., Ltd.'}", MP=TYPE-C-31-M-12, Price=None
J4: library part "3.5mm jack stereo smd", "Conn 3.5MM Stereo Jack F 3 POS Solder RA SMD 3 Terminal 1 Port T/R", Package=None, Availability=Good, MF=Switchcraft, MP=35RASMT2BHNTRX, Price="0.84 USD", SnapEDA_Link=https://www.snapeda.com/parts/35RASMT2BHNTRX/Switchcraft%20Inc./view-part/?ref=snap
J7 J9: library part "3.5mm jack 4pos smd", "PJ-327F 4 contacts 5 pins 1 sw"
J10 J11: "Connector", Manufacturer_Name=Molex, Datasheet Link=https://www.molex.com/pdm_docs/sd/528082071_sd.pdf, Height=5.3mm, Manufacturer_Part_Number=0528081271
LED1 LED2 LED3 LED4 LED5: library part RGB_CC_5mm
R1 R7 R8 R9 R10 R12 R13 R14 R15 R16 R22 R23 R24 R25 R26 R27 R28 R29 R30 R31 R32 R33 R34 R35 R36 R38 R39 R46 R47_IC101 R47_IC102 R47_IC103 R47_IC104 R47_IC105 R48_IC101 R48_IC102 R48_IC103 R48_IC104 R48_IC105 R49_IC101 R49_IC102 R49_IC103 R49_IC104 R49_IC105 R50 R51 R52 R53: library part RT0603FRE0710KL, "RES SMD 10K OHM 1% 1/10W 0603", Device Package="0603 (1608 Metric)", Manufacturer=Yageo, Operating Temperature="-55°C ~ 155°C", Power (Watts)="0.1W, 1/10W", Supplier Device Package=0603, Supplier Part Number 1=YAG2321CT-ND, Temperature Coefficient=±50ppm/°C, Tolerance=±1%, ComponentLink1Description=Datasheet, ComponentLink1URL=https://www.yageo.com/upload/media/product/productsearch/datasheet/rchip/PYu-RT_1-to-0.01_RoHS_L_11.pdf, ComponentLink2Description="DigiKey Link", ComponentLink2URL=http://digikey.com/product-detail/en/yageo/RT0603FRE0710KL/YAG2321CT-ND/5252435, Composition="Thin Film", Height - Seated (Max)="0.022\" (0.55mm)", LastUpdated="9/2/2020 1:10:23 AM", Lifecycle Status=Active, Minimum Order=1, Number of Terminations=2, Package / Case="0603 (1608 Metric)", Packaging=TapeAndReel, Part Number=RT0603FRE0710KL, Part Status=Active, PartId=5671, Price=0.01, Resistance="10 kOhms", Series=RT, Size / Dimension="0.063\" L x 0.031\" W (1.60mm x 0.80mm)", Supplier 1=DigiKey
R2 R3 R5 R6: "RES ARRAY 4 RES 100 OHM 1206", Manufacturer=Yageo, Number of Resistors=4, Operating Temperature="-55°C ~ 155°C", Package / Case="1206 (3216 Metric), Convex, Long Side Terminals", Power Per Element=62.5mW, Resistance (Ohms)=100, Supplier Part Number 1=YC164J-100CT-ND, Temperature Coefficient=±200ppm/°C, Tolerance=±5%, Applications="DDRAM, SDRAM", Circuit Type=Isolated, ComponentLink1Description=Datasheet, ComponentLink1URL=https://www.yageo.com/upload/media/product/productsearch/datasheet/rchip/PYu-YC_TC_group_51_RoHS_L_9.pdf, ComponentLink2Description="DigiKey Link", ComponentLink2URL=http://digikey.com/product-detail/en/yageo/YC164-JR-07100RL/YC164J-100CT-ND/1005656, Height - Seated (Max)="0.028\" (0.70mm)", LastUpdated="9/2/2020 1:23:24 AM", Lifecycle Status=Active, Minimum Order=1, Mounting Type="Surface Mount", Number of Pins=8, Packaging=TapeAndReel, Part Number=YC164-JR-07100RL, Part Status=Active, PartId=239, Price=0.01, Series=YC164, Size / Dimension="0.126\" L x 0.063\" W (3.20mm x 1.60mm)", Supplier 1=DigiKey
R4: library part RT0402FRE07100RL, "RES SMD 100 OHM 1% 1/16W 0402", Device Package="0402 (1005 Metric)", Manufacturer=Yageo, Operating Temperature="-55°C ~ 155°C", Power (Watts)="0.063W, 1/16W", Supplier Device Package=0402, Supplier Part Number 1=YAG3342CT-ND, Temperature Coefficient=±50ppm/°C, Tolerance=±1%, ComponentLink1Description=Datasheet, ComponentLink1URL=https://www.yageo.com/upload/media/product/productsearch/datasheet/rchip/PYu-RT_1-to-0.01_RoHS_L_11.pdf, ComponentLink2Description="DigiKey Link", ComponentLink2URL=http://digikey.com/product-detail/en/yageo/RT0402FRE07100RL/YAG3342CT-ND/5418047, Composition="Thin Film", Height - Seated (Max)="0.014\" (0.35mm)", LastUpdated="9/2/2020 1:08:09 AM", Lifecycle Status=Active, Minimum Order=1, Number of Terminations=2, Package / Case="0402 (1005 Metric)", Packaging=TapeAndReel, Part Number=RT0402FRE07100RL, Part Status=Active, PartId=3193, Price=0.01, Resistance="100 Ohms", Series=RT, Size / Dimension="0.039\" L x 0.020\" W (1.00mm x 0.50mm)", Supplier 1=DigiKey
R11 R21: library part RT0603FRE071ML, "RES SMD 1M OHM 1% 1/10W 0603", Device Package="0603 (1608 Metric)", Manufacturer=Yageo, Operating Temperature="-55°C ~ 155°C", Power (Watts)="0.1W, 1/10W", Supplier Device Package=0603, Supplier Part Number 1=YAG5944CT-ND, Temperature Coefficient=±50ppm/°C, Tolerance=±1%, ComponentLink1Description=Datasheet, ComponentLink1URL=https://www.yageo.com/upload/media/product/productsearch/datasheet/rchip/PYu-RT_1-to-0.01_RoHS_L_11.pdf, ComponentLink2Description="DigiKey Link", ComponentLink2URL=http://digikey.com/product-detail/en/yageo/RT0603FRE071ML/YAG5944CT-ND/9370974, Composition="Thin Film", Height - Seated (Max)="0.022\" (0.55mm)", LastUpdated="9/2/2020 1:10:14 AM", Lifecycle Status=Active, Minimum Order=1, Number of Terminations=2, Package / Case="0603 (1608 Metric)", Packaging=TapeAndReel, Part Number=RT0603FRE071ML, Part Status=Active, PartId=10191, Price=0.01, Resistance="1 MOhms", Series=RT, Size / Dimension="0.063\" L x 0.031\" W (1.60mm x 0.80mm)", Supplier 1=DigiKey
R17 R18 R19 R20: library part RCA06030000ZSEA, "RES SMD 0 OHM JUMPER 1/10W 0603", Device Package="0603 (1608 Metric)", Manufacturer="Vishay Dale", Operating Temperature="-55°C ~ 155°C", Power (Watts)="0.1W, 1/10W", Ratings=AEC-Q200, Supplier Device Package=0603, Supplier Part Number 1=541-2192-1-ND, Tolerance=Jumper, ComponentLink1Description=Datasheet, ComponentLink1URL=http://www.vishay.com/docs/20037/rcae3.pdf, ComponentLink2Description="DigiKey Link", ComponentLink2URL=http://digikey.com/product-detail/en/vishay-dale/RCA06030000ZSEA/541-2192-1-ND/4946845, Composition="Thick Film", Features="Anti-Sulfur, Automotive AEC-Q200", Height - Seated (Max)="0.020\" (0.50mm)", LastUpdated="9/2/2020 1:10:23 AM", Lifecycle Status=Active, Minimum Order=1, Number of Terminations=2, Package / Case="0603 (1608 Metric)", Packaging=TapeAndReel, Part Number=RCA06030000ZSEA, Part Status=Active, PartId=5740, Price=0.01, Series=RCA, Size / Dimension="0.061\" L x 0.033\" W (1.55mm x 0.85mm)", Supplier 1=DigiKey
R37: library part "POT 9MM 100K"
R40 R41 R54 R55 R56 R57 R58 R59 R60 R61 R62 R63 R64 R65 R66 R67 R68 R69 R70 R71: library part RC0402JR-0722RL, "RES 22 OHM 5% 1/16W 0402", Device Package="0402 (1005 Metric)", Manufacturer=Yageo, Operating Temperature="-55°C ~ 155°C", Power (Watts)="0.063W, 1/16W", Supplier Device Package=0402, Supplier Part Number 1=311-22JRCT-ND, Temperature Coefficient=±100ppm/°C, Tolerance=±5%, ComponentLink1Description=Datasheet, ComponentLink1URL=https://www.yageo.com/upload/media/product/productsearch/datasheet/rchip/PYu-RC_Group_51_RoHS_L_10.pdf, ComponentLink2Description="DigiKey Link", ComponentLink2URL=https://www.digikey.com/en/products/detail/yageo/RC0402JR-0722RL/726444, Composition="Thick Film", Features="Moisture Resistant", Height - Seated (Max)="0.016\" (0.40mm)", LastUpdated="2/9/2024 8:30:03 PM", Lifecycle Status=Active, Minimum Order=1, Number of Terminations=2, Package / Case="0402 (1005 Metric)", Packaging=CutTape, Part Number=RC0402JR-0722RL, Part Status=Active, PartId=7724, Price=0.01, Resistance="22 Ohms", Series=RC_L, Size / Dimension="0.039\" L x 0.020\" W (1.00mm x 0.50mm)", Supplier 1=DigiKey
R42 R43 R44 R45: library part ERJ-PA3F10R0V, "RES SMD 10 OHM 1% 1/3W 0603", Device Package="0603 (1608 Metric)", Manufacturer="Panasonic Electronic Components", Operating Temperature="-55°C ~ 155°C", Power (Watts)="0.333W, 1/3W", Ratings=AEC-Q200, Supplier Device Package=0603, Supplier Part Number 1=P10.00BYCT-ND, Temperature Coefficient=±100ppm/°C, Tolerance=±1%, ComponentLink1Description=Datasheet, ComponentLink1URL=https://industrial.panasonic.com/cdbs/www-data/pdf/RDO0000/AOA0000C331.pdf, ComponentLink2Description="DigiKey Link", ComponentLink2URL=https://www.digikey.com/en/products/detail/panasonic-electronic-components/ERJ-PA3F10R0V/5035852, Composition="Thick Film", Features="Automotive AEC-Q200, Pulse Withstanding", Height - Seated (Max)="0.022\" (0.55mm)", LastUpdated="9/16/2023 7:33:50 PM", Lifecycle Status=Active, Minimum Order=1, Number of Terminations=2, Package / Case="0603 (1608 Metric)", Packaging=TapeAndReel, Part Number=ERJ-PA3F10R0V, Part Status=Active, PartId=5368, Price=0.01, Resistance="10 Ohms", Series=ERJ-PA3, Size / Dimension="0.063\" L x 0.031\" W (1.60mm x 0.80mm)", Supplier 1=DigiKey
SW1 SW2 SW3 SW4 SW5: library part Kailh_SW, "Kailh keyboard switch"
SW8 SW9: "SWITCH TACTILE SPST-NO 0.05A 24V", Contact Rating @ Voltage="0.05A @ 24VDC", Manufacturer="TE Connectivity ALCOSWITCH Switches", Operating Force=160gf, Operating Temperature="-35°C ~ 85°C", Supplier Part Number 1=450-1661-ND, Actuator Length, Right Angle=11.85mm, Actuator Orientation="Side Actuated", Actuator Type=Standard, Circuit=SPST-NO, ComponentLink1Description=Datasheet, ComponentLink1URL=https://www.te.com/commerce/DocumentDelivery/DDEController?Action=srchrtrv&DocNm=1308111-1_SWITCHES_CORE_PROGRAM_CATALOG&DocType=CS&DocLang=English, ComponentLink2Description="DigiKey Link", ComponentLink2URL=http://digikey.com/product-detail/en/te-connectivity-alcoswitch-switches/2-1825027-0/450-1661-ND/1632547, Illumination=Non-Illuminated, LastUpdated="9/6/2020 11:08:27 AM", Lifecycle Status=Active, Minimum Order=1, Mounting Type="Through Hole, Right Angle", Outline="7.11mm x 6.60mm", Packaging=Bulk, Part Number=2-1825027-0, Part Status=Active, Price=0.22, Series=FSMRAJ, Supplier 1=DigiKey, Switch Function=Off-Mom, Termination Style="PC Pin"
SW10: library part RockerSwitch_3mm, "Slide switch"
U1: library part USBLC6-2, "Very Low Capacitance Esd Protection", Package="SOT-563 STMicroelectronics", Availability=Unavailable, helpurl=https://lib.chipdip.ru/093/DOC001093117.pdf, MF=STMicroelectronics, MP=USBLC6-2, Price=None
VD1: library part LED_single, Color=GREEN, ColorParameter=Green, Supplier Part Number 1=C919445, Temperature=-55...+150°C, Supplier 1=LCSC, TypeDiode=LED, ValueManufacturerPartNumber="LED, Green, *, *, *, -55...+150°C"

## Free pads (board coordinates)
  round 98.43 hole 78.74: 7(2437.8,2350.86) 7(2437.8,3950.86) 7(2716.54,1629.92) 7(2767.72,3933.07) 7(5681.97,2350.86) 7(5681.97,3950.86) 7(6350.39,3220.47) 7(6417.32,2177.17)
  round 0 hole 78.74 slot 1062.99 at 90 deg: 7(5700.79,3086.61)
  round 70.87 hole 47.24: A(5214.35,4092.45) A(5398.66,4203.66)
  round 157.48 hole 118.11: qq(1586.56,3582.68) qq(1586.61,2303.15) qq(2362.2,1673.23) qq(2952.76,4173.23) qq(5314.96,1673.23) qq(7775.59,2303.15) qq(7775.59,3582.68)

## Via types
v1: diameter 23.62, hole 11.81, Top Layer to Bottom Layer, tented both sides, 215 vias
v2: diameter 23.62, hole 11.81, Top Layer to Bottom Layer, 73 vias

## Nets (pads, with @x,y where several pads share a name; then routed paths per layer and width w, separated by ;. In a path a pad name is that pad's centre, name@x,y a point inside that pad or via, vN(x,y) a via of type N, cw(c..) or ccw(c..) an arc to the next point about the centre after c; other vN are vias at no path point)
3V_LCD: C16.2 H3.9 H3.10 H3.11 H3.45 IC10.2 IC10.4 pad.7@5700.79,3086.61 R42.2 R43.2 R44.2 R45.2 R46.2 | length 1612.2
  Top Layer w12: R45.2@4996.06,2530.16 R44.2@4996.06,2590.16 ; IC10.4@4997.35,3032.2 4995.47,3030.33 v1(4995.47,2825.16) 4995.47,2770.75 R46.2@4996.06,2770.16 R43.2@4996.06,2650.16 R44.2@4996.06,2590.16 ; C16.2@5064.28,2598.4 5004.31,2598.4 R44.2@4996.06,2590.16 ; v1(5074.24,2912.2) 5074.24,3027.2 5079.24,3032.2
  Top Layer w20: IC10.4@4997.35,3032.2 5079.24,3032.2 IC10.2@5261.13,3032.2
  Bottom Layer w8: v2(4640.2,3367.76) 4642.52,3370.08 H3.11@4728.35,3370.08 ; 4640.2,3392.76 4643.19,3389.76 H3.10@4728.35,3389.76 ; 4640.2,3412.76 4643.5,3409.45 H3.9@4728.35,3409.45 ; H3.45@4728.35,2700.79 4782.85,2700.79 4791.23,2709.17 4815.39,2709.17 4830.63,2724.41 4850.39,2724.41 4951.14,2825.16 v1(4995.47,2825.16)
  Bottom Layer w20: v2(4640.2,3367.76) 4640.2,3392.76 4640.2,3412.76 v2(4640.2,3432.76)